# Altium PCB UCM PCB R1.PcbDoc (part 1 of 2) (continued)
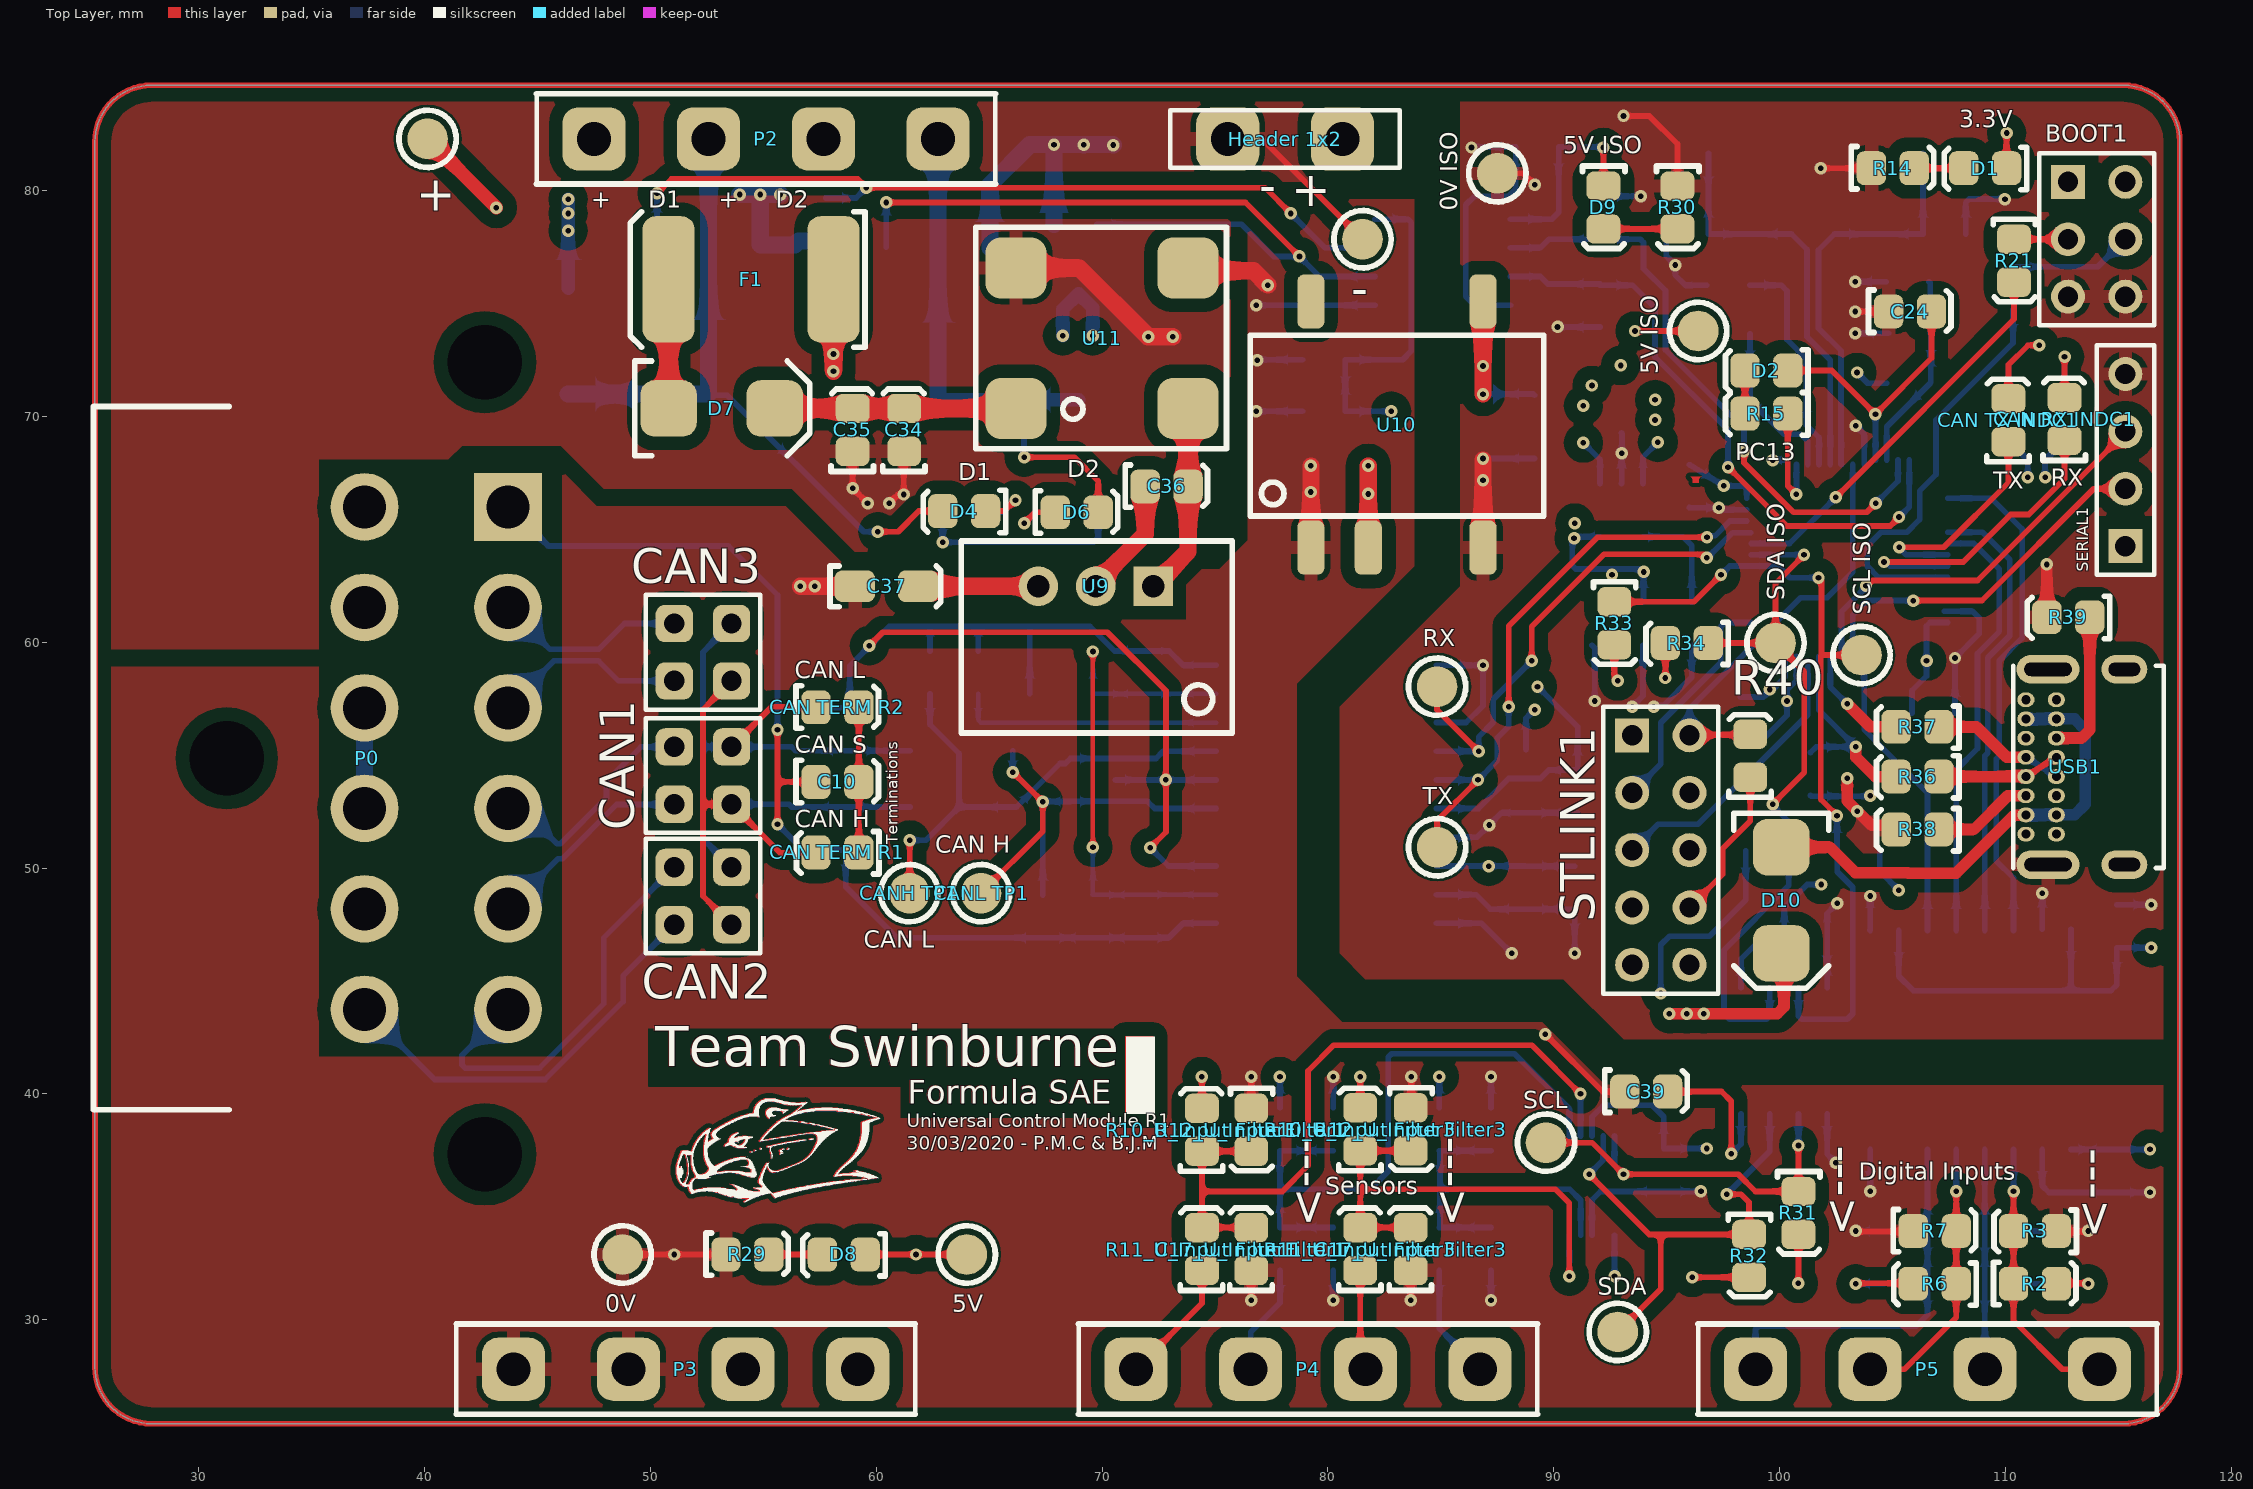
[diagram p0: Top Layer view]
## Components (designator, comment, footprint, x,y, rotation, side; value= is the part's Value field where it differs from the comment)
0V "0mm" "SMD Test Point" 48.768,32.893 r90 top
"0V ISO" "0mm" "SMD Test Point" 87.503,80.772 r90 top
5V "0mm" "SMD Test Point" 64.008,32.893 r90 top
"5V ISO" "0mm" "SMD Test Point" 96.397,73.787 r90 top
+ "0mm" "SMD Test Point" 40.132,82.296 r90 top
- "0mm" "SMD Test Point" 81.534,77.851 r90 top
BOOT1 "2.54mm" "TH 2.54mm Header 2x3" 112.776,80.391 r270 top
C1 "100nF" 0805 94.895,36.649 r90 bottom
C2 "10nF" 1206 88.773,55.051 r90 bottom
C3 "100nF" 0805 91.085,53.413 r90 bottom
C4 "100nF" 0805 71.856,58.657 r270 bottom
C5 "10nF" 1206 69.396,57.719 r0 bottom
C6 "10uF" 0805 71.755,47.879 r90 bottom
C7 "100nF" 0805 69.596,47.879 r90 bottom
C8 "10uF" 0805 88.773,49.149 r90 bottom
C9 "100nF" 0805 90.958,49.149 r90 bottom
C10 "22pF" 0805 58.293,53.848 r0 top
C11 "100pF" 0805 58.801,56.143 r270 bottom
C12 "100pF" 0805 58.674,51.767 r90 bottom
C13 "100pF" 0805 67.403,47.879 r90 bottom
C14 "100pF" 0805 62.357,58.657 r270 bottom
C15 "100nF" 0805 114.808,36.604 r90 bottom
C16 "100nF" 0805 114.909,47.42 r270 bottom
"C17_U_Input Filter1" "100nF" 0805 76.581,33.147 r90 top (schematic designator C17)
"C17_U_Input Filter2" "100nF" 0805 80.264,33.147 r90 bottom (schematic designator C17)
"C17_U_Input Filter3" "100nF" 0805 83.641,33.147 r90 top (schematic designator C17)
"C17_U_Input Filter4" "100nF" 0805 87.249,33.147 r90 bottom (schematic designator C17)
C18 "100nF" 0805 105.685,75.946 r0 bottom
C19 "22pF" 0805 97.741,73.634 r0 bottom
C20 "22pF" 0805 97.741,75.793 r0 bottom
C21 "1uF" 0805 93.03,70.231 r90 bottom
C22 "100nF" 0805 93.98,60.833 r90 bottom
C23 "1uF" 0805 91.72,60.833 r90 bottom
C24 "1uF" 0805 105.791,74.676 r0 top
C25 "100nF" 0805 96.033,66.929 r90 bottom
C26 "100nF" 0805 106.807,56.896 r180 bottom
C27 "100nF" 0805 98.298,56.642 r90 bottom
C28 "22uF" 0805 96.139,60.833 r90 bottom
C29 "22pF" 0805 95.912,78.053 r0 bottom
C30 "22pF" 0805 107.288,78.105 r180 bottom
C31 "100nF" 0805 89.281,81.915 r0 bottom
C32 "100nF" 0805 79.834,72.491 r0 bottom
C33 "10uF" 0805 79.834,70.205 r0 bottom
C34 "10uF" 0805 61.214,69.42 r90 top
C35 "10uF" 0805 58.928,69.42 r90 top
C36 "10uF" 0805 72.871,66.929 r0 top
C37 "22uF" 1206 61.655,62.484 r0 top
C38 "22uF" 1206 89.154,70.739 r90 bottom
C39 "100nF" 0805 94.107,40.132 r0 top
C40 "100nF" 0805 101.146,46.889 r180 bottom
CAN1 "2.54mm" "TH 2.54mm Header 2x2" 51.054,55.372 r270 top
CAN2 "2.54mm" "TH 2.54mm Header 2x2" 51.054,50.038 r270 top
CAN3 "2.54mm" "TH 2.54mm Header 2x2" 51.054,60.833 r270 top
"CAN RX INDC1" "Blue" "0805 LED" 112.597,69.898 r90 top
"CAN TERM R1" "56R" 0805 58.269,50.673 r180 top
"CAN TERM R2" "56R" 0805 58.293,57.15 r0 top
"CAN TX INDC1" "Blue" "0805 LED" 110.109,69.85 r90 top
"CANH TP1" "0mm" "SMD Test Point" 61.468,48.895 r90 top
"CANL TP1" "0mm" "SMD Test Point" 64.643,48.895 r90 top
D1 "Red" "0805 LED" 109.093,80.974 r180 top
D2 "Red" "0805 LED" 99.406,72.009 r180 top
D3 "SD560BTR" "SMB Diode" 46.355,71.242 r90 bottom
D4 "Orange" "0805 LED" 63.881,65.786 r180 top
D5 "SD560BTR" "SMB Diode" 68.961,70.993 r90 bottom
D6 "Orange" "0805 LED" 68.888,65.786 r0 top
D7 "SD560BTR" "SMB Diode" 51.054,70.358 r0 top
D8 "Red" "0805 LED" 58.552,32.867 r180 top
D9 "Red" "0805 LED" 92.228,79.248 r270 top
D10 "SD560BTR" "SMB Diode" 100.076,50.678 r270 top
F1 "0ZCF0100AF2A" 2920 58.104,76.073 r180 top
"Header 1x2" "2.54mm" "TH 5.08mm Header 1x2" 80.645,82.296 r180 top
P0 "DT13-12P" DT13-12P 37.342,65.999 r270 top
P2 "2.54mm" "TH 5.08mm Header 1x4" 62.738,82.296 r180 top
P3 "2.54mm" "TH 5.08mm Header 1x4" 43.942,27.813 r0 top
P4 "2.54mm" "TH 5.08mm Header 1x4" 71.501,27.813 r0 top
P5 "2.54mm" "TH 5.08mm Header 1x4" 98.933,27.813 r0 top
"PCB NTC1" "10K (NTC) (B25/85 3430K)" 0805 105.791,73.66 r0 bottom
Q1 "STD70N10F4" "STM TO-252 MOSFET" 54.878,77.597 r180 bottom
Q2 "STD70N10F4" "STM TO-252 MOSFET" 65.038,77.47 r180 bottom
R1 "0R" 0805 64.49,58.657 r270 bottom
R2 "10k" 0805 111.325,31.623 r0 top
R3 "10k" 0805 111.301,33.909 r180 top
R4 "10k" 0805 110.055,31.571 r0 bottom
R5 "10k" 0805 110.031,33.961 r180 bottom
R6 "10k" 0805 106.861,31.571 r180 top
R7 "10k" 0805 106.885,33.961 r0 top
R8 "10k" 0805 105.591,31.623 r180 bottom
R9 "10k" 0805 105.615,33.909 r0 bottom
"R10_U_Input Filter1" "10k" 0805 74.396,38.427 r90 top (schematic designator R10)
"R10_U_Input Filter2" "10k" 0805 77.903,38.451 r90 bottom (schematic designator R10)
"R10_U_Input Filter3" "10k" 0805 81.407,38.451 r90 top (schematic designator R10)
"R10_U_Input Filter4" "10k" 0805 84.963,38.451 r90 bottom (schematic designator R10)
"R11_U_Input Filter1" "1k" 0805 74.396,33.147 r90 top (schematic designator R11)
"R11_U_Input Filter2" "1k" 0805 77.903,33.147 r90 bottom (schematic designator R11)
"R11_U_Input Filter3" "1k" 0805 81.407,33.147 r90 top (schematic designator R11)
"R11_U_Input Filter4" "1k" 0805 84.963,33.147 r90 bottom (schematic designator R11)
"R12_U_Input Filter1" "10k" 0805 76.633,38.403 r270 top (schematic designator R12)
"R12_U_Input Filter2" "10k" 0805 80.212,38.427 r270 bottom (schematic designator R12)
"R12_U_Input Filter3" "10k" 0805 83.693,38.427 r270 top (schematic designator R12)
"R12_U_Input Filter4" "10k" 0805 87.197,38.427 r270 bottom (schematic designator R12)
R13 "10k" 0805 105.709,71.501 r180 bottom
R14 "510R" 0805 105.029,81.026 r0 top
R15 "510R" 0805 99.406,70.104 r180 top
R16 "680R" 0805 110.161,69.85 r90 bottom
R17 "680R" 0805 112.649,69.898 r90 bottom
R18 "10k" 0805 110.363,75.692 r90 bottom
R19 "5.1k" 0805 103.505,50.8 r0 bottom
R20 "5.1k" 0805 99.441,50.8 r180 bottom
R21 "10k" 0805 110.41,76.889 r270 top
R22 "10M" 0805 101.473,78.105 r180 bottom
R23 "1.5k" 0805 63.881,65.786 r180 bottom
R24 "10k" 0805 92.049,78.789 r270 bottom
R25 "20k" 0805 57.785,78.74 r90 bottom
R26 "1.5k" 0805 68.888,65.734 r0 bottom
R27 "10k" 0805 92.075,74.93 r90 bottom
R28 "20k" 0805 68.834,78.486 r0 bottom
R29 "680R" 0805 54.307,32.919 r0 top
R30 "510R" 0805 95.504,79.248 r270 top
R31 "3.3k" 0805 100.864,34.72 r270 top
R32 "3.3k" 0805 98.679,32.82 r270 top
R33 "3.3k" 0805 92.71,60.833 r270 top
R34 "3.3k" 0805 95.885,59.944 r180 top
R35 "1.5k" 0805 101.346,54.156 r270 bottom
R36 "20R" 0805 106.099,54.032 r180 top
R37 "20R" 0805 106.099,56.235 r180 top
R38 "5.1k" 0805 106.099,51.689 r180 top
R39 "5.1k" 0805 112.776,61.087 r180 top
R40 "10k" 0805 98.679,54.991 r90 top
RX "0mm" "SMD Test Point" 84.836,58.039 r90 top
SCL "0mm" "SMD Test Point" 89.662,37.846 r90 top
"SCL ISO" "0mm" "SMD Test Point" 103.632,59.436 r90 top
SDA "0mm" "SMD Test Point" 92.837,29.464 r90 top
"SDA ISO" "0mm" "SMD Test Point" 99.822,59.97 r90 top
SERIAL1 "2.54mm" "TH 2.54mm Header 1x4" 115.316,64.262 r90 top
STLINK1 "2.54mm" "TH 2.54mm Header 2x5" 93.472,55.88 r270 top
TX "0mm" "SMD Test Point" 84.836,50.927 r90 top
U1 "ADS1115" "TI 10-VSSOP" 91.694,35.941 r90 bottom
U2 "ADM3053" "AD SOIC-W 20" 79.933,53.274 r270 bottom
U3 "B82787C0104H002" "TDK 4-PC Pad" 61.49,52.705 r0 bottom
U4 "NUP2105L" "ON SOT-23" 69.596,53.909 r90 bottom
U5 "ADuM1400" "AD 16-SOIC" 107.188,42.419 r180 bottom
U6 "STM32F103C8T6" "STM 48-LQFP" 102.997,63.627 r0 bottom
U7 "RT9193-33GB" "RICHTEK SOT-23-5" 93.054,66.04 r0 bottom
U8 "ADUM3221ARZ" "AD 8-SOIC" 85.09,76.835 r270 bottom
U9 "R-78C5.0-1.0" "RECOM 3-SIP" 72.263,62.484 r180 top
U10 "R2S-0505/HP" "RECOM 8-SMD (5 Pin)" 83.058,69.596 r0 top
U11 "744272121" "Wurth 4-PC Pad" 73.809,76.578 r180 top
U12 "ISO1540DR" "TI 8-SOIC" 100.838,35.027 r270 bottom
USB1 "USB4085-GF-A" USB4085-GF-A 114.935,54.356 r90 top
X1 "8MHz" "Abracon HC-49/US" 101.6,81.661 r0 bottom
X2 "32.768kHz" "EPSON 2-SMD" 99.949,71.12 r0 bottom

## Footprints (in the part's own frame and the unit in brackets; to place one, negate y for a bottom-side part, rotate by r counter-clockwise, add the part's x,y. Pads: shape width x height; smd on the part's side, far side on the other; paste and mask are expansions set on the pad)
0805 [mm]
  rrect50% 1.3x1.5 smd: 1(-0.962,-0.026) 2(0.938,-0.026)
  silkscreen extent -1.85,-0.95 1.8,0.93, body extent -1,-0.65 1,0.66, height 0.73
"0805 LED" [mm]
  rrect50% 1.3x1.5 smd: A(-0.962,-0.026) K(0.938,-0.026)
  silkscreen extent -1.85,-0.95 1.8,0.93, body extent -1.1,-0.62 0.9,0.62, height 1
1206 [mm]
  rrect50% 1.8x1.4 smd: 1(-2.6,0) 2(0.2,0)
  silkscreen extent -3.7,-0.9 1.2,0.9, body extent -2.9,-0.9 0.5,0.9, height 1.85
2920 [mm]
  rrect50% 2.3x5.6 smd: 1(0,0) 2(7.3,0)
  silkscreen extent -1.4,-3 9,3, body extent -0.34,-2.81 7.64,2.81, height 1.14
"Abracon HC-49/US" [mm]
  rrect50% 5.6x2.1 smd: 1(-4.75,0) 2(4.75,0)
  silkscreen extent -5.27,-2.35 5.25,2.35, body extent -6.35,-2.35 6.35,2.35, height 4.06
"AD 8-SOIC" [mm]
  oval 0.7x1.8 smd: 1(-1.905,-3) 2(-0.635,-3) 3(0.635,-3) 4(1.905,-3) 5(1.905,3) 6(0.635,3) 7(-0.635,3) 8(-1.905,3)
  silkscreen extent -2.87,-1.88 3.05,1.85, body extent -2.5,-3.1 2.5,3.1, height 1.76
"AD 16-SOIC" [mil]
  rrect50% 28x85 smd: 1(-225,-192.02)
  oval 28x85 smd: 2(-175,-192.02) 3(-125,-192.02) 4(-75,-192.02) 5(-25,-192.02) 6(25,-192.02) 7(75,-192.02) 8(125,-192.02) 9(125,190) 10(75,189.96) 11(25,189.96) 12(-25,189.96) 13(-75,189.96) 14(-125,189.96) 15(-175,191.98) 16(-225,191.98)
  silkscreen extent -257,-138 155,138, body extent -256,-209 156,209, height 104
"AD SOIC-W 20" [mil]
  rrect50% 28x85 smd: 1(-225,-192.02)
  oval 28x85 smd: 2(-175,-192.02) 3(-125,-192.02) 4(-75,-192.02) 5(-25,-192.02) 6(25,-192.02) 7(75,-192.02) 8(125,-192.02) 9(175,-192.02) 10(225,-192.02) 11(225,192.02) 12(175,191.98) 13(125,191.98) 14(75,191.98) 15(25,191.98) 16(-25,191.98) 17(-75,191.98) 18(-125,191.98) 19(-175,191.98) 20(-225,191.98)
  silkscreen extent -257,-138 256,138, body extent -260,-210 260,210, height 105
DT13-12P [mm]
  round 3 hole 3.3 unplated: 0(-6.405,5.33) 0(11.135,-6.1) 0(28.675,5.33)
  rect 3x3 hole 1.9: 1(0,6.35)
  round 3 hole 1.9: 2(4.45,6.35) 3(8.9,6.35) 4(13.35,6.35) 5(17.8,6.35) 6(22.25,6.35) 7(22.25,0) 8(17.8,0) 9(13.35,0) 10(8.9,0) 11(4.45,0) 12(0,0)
  silkscreen extent -4.45,-12 26.7,-6, body extent -18.6,-34.7 40.6,9.5, height 35.63
"EPSON 2-SMD" [mm]
  rrect50% 1x1.8 smd: 1(-1.25,0) 2(1.25,0)
  silkscreen extent -2,-1.2 2,1.2, body extent -1.5,-1 1.5,1, height 1
"ON SOT-23" [mm] "NUP2105L"
  rrect50% 0.8x0.9 smd: 1(-0.95,-1) 2(0.95,-1) 3(0,1)
  silkscreen extent -1.75,-0.65 1.75,0.75, body extent -1.5,-1.28 1.5,1.27, height 1
"RECOM 3-SIP" [mm] "12 to 42 Vdc In, 9 Vdc Out"
  rect 1.75x1.75 hole 1: 1(0,0)
  round 1.75 hole 1: 2(2.54,0) 3(5.08,0)
  silkscreen extent -3.5,-2 8.5,6.5, body extent -3.26,-2.02 8.34,6.48, height 11.41
"RECOM 8-SMD (5 Pin)" [mm]
  rrect50% 1.2x2.4 smd: 1(-3.81,-5.4) 2(-1.27,-5.4) 4(3.81,-5.4) 5(3.81,5.5) 8(-3.81,5.5)
  silkscreen extent -6.5,-4 6.5,4, body extent -6.37,-5.55 6.38,5.55, height 9.2
"RICHTEK SOT-23-5" [mil]
  rrect50% 19x58 smd: 1(-39.37,-39.37) 2(-1.97,-39.37) 3(35.43,-39.37) 4(35.43,53.63) 5(-39.37,53.63)
  silkscreen extent -69,-31 64,47, body extent -62,-51 58,67, height 57
"SMB Diode" [mm]
  rrect50% 2.5x2.5 smd: A(-0.25,0) K(4.45,0)
  silkscreen extent -1.75,-2.1 6,2.1, body extent -0.69,-1.97 4.9,1.97, height 2.5
"SMD Test Point" [mm]
  round 1.8 smd: 1(0,0)
  silkscreen extent -1.27,-1.27 1.27,1.27
"STM 48-LQFP" [mm]
  rrect50% 0.3x1.2 smd mask+0.05: 1(-2.75,-4.45) 2(-2.25,-4.45) 3(-1.75,-4.45) 4(-1.25,-4.45) 5(-0.75,-4.45) 6(-0.25,-4.45) 7(0.25,-4.45) 8(0.75,-4.45) 9(1.25,-4.45) 10(1.75,-4.45) 11(2.25,-4.45) 12(2.75,-4.45) 25(2.75,4.45) 26(2.25,4.45) 27(1.75,4.45) 28(1.25,4.45) 29(0.75,4.45) 30(0.25,4.45) 31(-0.25,4.45) 32(-0.75,4.45) 33(-1.25,4.45) 34(-1.75,4.45) 35(-2.25,4.45) 36(-2.75,4.45)
  rrect50% 1.2x0.3 smd mask+0.05: 13(4.45,-2.75) 14(4.45,-2.25) 15(4.45,-1.75) 16(4.45,-1.25) 17(4.45,-0.75) 18(4.45,-0.25) 19(4.45,0.25) 20(4.45,0.75) 21(4.45,1.25) 22(4.45,1.75) 23(4.45,2.25) 24(4.45,2.75) 37(-4.45,2.75) 38(-4.45,2.25) 39(-4.45,1.75) 40(-4.45,1.25) 41(-4.45,0.75) 42(-4.45,0.25) 43(-4.45,-0.25) 44(-4.45,-0.75) 45(-4.45,-1.25) 46(-4.45,-1.75) 47(-4.45,-2.25) 48(-4.45,-2.75)
  silkscreen extent -3.5,-3.5 3.5,3.5, body extent -4.6,-4.6 4.6,4.6, height 1.6
"STM TO-252 MOSFET" [mm]
  rrect50% 6.7x6.7 smd: D(2.3,-6.65)
  oval 1.6x3 smd: G(4.6,0) S(0,0)
  silkscreen extent -1.5,-10.4 6,-2.5, body extent -1.08,-9.67 5.64,0.75, height 2.39
"TDK 4-PC Pad" [mm]
  rrect50% 1.35x0.9 smd: 1(0,0) 2(0,-2.5) 3(4.55,-2.5) 4(4.55,0)
  silkscreen extent -1,-3.2 5.5,0.7, body extent -0.02,-2.82 4.48,0.38, height 2.8
"TH 2.54mm Header 1x4" [mm]
  rect 1.5x1.5 hole 0.9: 1(0,0)
  round 1.5 hole 0.9: 2(2.54,0) 3(5.08,0) 4(7.62,0)
  silkscreen extent -1.27,-1.27 8.89,1.27, body extent -1.27,-1.27 8.89,1.27, height 9.5
"TH 2.54mm Header 2x2" [mil]
  rrect50% 65x65 hole 35.43: 1(0,0) 2(0,100) 3(100,0) 4(100,100)
  silkscreen extent -50,-50 150,150, body extent -50,-50 150,150, height 374
"TH 2.54mm Header 2x3" [mm]
  rect 1.5x1.5 hole 0.9: 1(0,0)
  round 1.5 hole 0.9: 2(0,2.54) 3(2.54,0) 4(2.54,2.54) 5(5.08,0) 6(5.08,2.54)
  silkscreen extent -1.27,-1.27 6.35,3.81, body extent -1.27,-1.27 6.35,3.81, height 9.5
"TH 2.54mm Header 2x5" [mm]
  rect 1.5x1.5 hole 0.9: 1(0,0)
  round 1.5 hole 0.9: 2(0,2.54) 3(2.54,0) 4(2.54,2.54) 5(5.08,0) 6(5.08,2.54) 7(7.62,0) 8(7.62,2.54) 9(10.16,0) 10(10.16,2.54)
  silkscreen extent -1.27,-1.27 11.43,3.81, body extent -1.27,-1.27 11.43,3.81, height 9.5
"TH 5.08mm Header 1x2" [mil]
  rrect50% 110x110 hole 59.06: 1(0,0) 2(200,0)
  silkscreen extent -100,-50 300,50, body extent -230,-394 430,79, height 349
"TH 5.08mm Header 1x4" [mil]
  rrect50% 110x110 hole 59.06: 1(0,0) 2(200,0) 3(400,0) 4(600,0)
  silkscreen extent -100,-79 700,79, body extent -230,-394 830,79, height 72
"TI 8-SOIC" [mm]
  oval 1.4x0.6 smd: 1(-9.677,2.54) 2(-9.677,1.27) 3(-9.677,0) 4(-9.677,-1.27) 5(-4.089,-1.27) 6(-4.089,0) 7(-4.089,1.27) 8(-4.089,2.54)
  silkscreen extent -8.74,-1.78 -5.03,3.18, body extent -9.96,-1.87 -3.76,3.14, height 1.76
"TI 10-VSSOP" [mm]
  rrect50% 1.45x0.3 smd mask+0.05: 1(-2.2,1) 2(-2.2,0.5) 3(-2.2,0) 4(-2.2,-0.5) 5(-2.2,-1) 6(2.2,-1) 7(2.2,-0.5) 8(2.2,0) 9(2.2,0.5) 10(2.2,1)
  silkscreen extent -1.25,-1.5 1.25,1.5, body extent -2.45,-1.5 2.45,1.5, height 1.12
USB4085-GF-A [mil]
  oval 25.59x30 hole 15.75: A1(-112.13,158.46) A4(-78.66,158.46) A5(-45.2,158.46) A6(-11.73,158.46) A7(21.73,158.46) A8(55.2,158.46) A9(88.66,158.46) A12(122.13,158.46) B1(122.13,105.32) B4(88.66,105.32) B5(55.2,105.32) B6(21.73,105.32) B7(-11.73,105.32) B8(-45.2,105.32) B9(-78.66,105.32) B12(-112.13,105.32)
  oval 50x110 hole 23.62 slot 82.68 at 90 deg: P1(-165.28,119.88) P2(175.28,119.88)
  oval 50x80 hole 23.62 slot 55.12 at 90 deg: P3(175.28,-13.19) P4(-165.28,-13.19)
  silkscreen extent -171,-82 181,181, body extent -173,-180 183,181, height 136
"Wurth 4-PC Pad" [mm]
  rrect50% 2.7x2.7 smd: 1(7.62,6.22) 2(0,6.22) 3(0,0) 4(7.62,0)
  silkscreen extent -1.7,-1.8 9.4,8, body extent -1.19,-1.24 8.81,7.46, height 6.2

## Part data
0V "0V ISO" 5V "5V ISO" + - "CANH TP1" "CANL TP1" RX SCL "SCL ISO" SDA "SDA ISO" TX: library part "SMD Test Point", Angle=0, Contact=NA, Flange=No, Part Number="SMD Test Point", Pitch=0mm, Positions=1, Row Spacing=0
BOOT1: library part "TH 2.54mm Header 2x3", Angle=0, Contact=NA, Flange=No, Part Number="TH 2.54mm Header 2x3", Pitch=2.54mm, Positions=6, Row Spacing=2.54mm
C1 C3 C4 C7 C9 C15 C16 "C17_U_Input Filter1" "C17_U_Input Filter2" "C17_U_Input Filter3" "C17_U_Input Filter4" C18 C22 C25 C26 C27 C31 C32 C39 C40: library part GCM21BR71E104KA37L, Digikey Part Number="DO NOT USE FOR NEW DESIGNS", Manufacturer=muRata, Rated Voltage=25V, Tolerance=10%, Material=X7R, Part Number=GCM21BR71E104KA37L
C2 C5: library part GCM3195C2A103JA16D, Digikey Part Number=490-4978-2-ND, Manufacturer=muRata, Rated Voltage=100V, Tolerance=5%, Material=Ceramic, Part Number=GCM3195C2A103JA16D
C6 C8 C33 C34 C35 C36: library part GRM21BR6YA106KE43L, Digikey Part Number=490-10514-6-ND, Manufacturer=muRata, Rated Voltage=50V, Tolerance=10%, Material=X5R, Part Number=GRM21BR6YA106KE43L
C10 C19 C20 C29 C30: library part GCM21B5C1H220JA37L, Digikey Part Number="DO NOT USE FOR NEW DESIGNS", Manufacturer=muRata, Rated Voltage=50V, Tolerance=5%, Material=C0G, Part Number=GCM21B5C1H220JA37L
C11 C12 C13 C14: library part GCM21B5C1H101JA37L, Digikey Part Number="DO NOT USE FOR NEW DESIGNS", Manufacturer=muRata, Rated Voltage=50V, Tolerance=5%, Material=C0G, Part Number=GCM21B5C1H101JA37L
C21 C23 C24: library part AC0805KKX7R8BB105, Digikey Part Number="DO NOT USE FOR NEW DESIGNS", Manufacturer=YAGEO, Rated Voltage=25V, Tolerance=10%, Material=X7R, Part Number=AC0805KKX7R8BB105
C28: library part GRM21BR61A226ME51L, Digikey Part Number=490-10511-1-ND, Manufacturer=muRata, Rated Voltage=10V, Tolerance=20%, Material=X5R, Part Number=GRM21BR61A226ME51L
C37 C38: library part CC1206MKX5R7BB226, Digikey Part Number=311-1997-2-ND, Manufacturer=YAGEO, Rated Voltage=16V, Tolerance=20%, Material=Ceramic, Part Number=CC1206MKX5R7BB226
CAN1 CAN2 CAN3: library part "TH 2.54mm Header 2x2", Angle=0, Contact=NA, Flange=No, Part Number="TH 2.54mm Header 2x2", Pitch=2.54mm, Positions=4, Row Spacing=2.54mm
"CAN RX INDC1" "CAN TX INDC1": library part SML-MN2BCTT86C, "LED BLUE CLEAR 2012 SMD", Digikey Part Number=846-1207-1-ND, Manufacturer="ROHM Semiconductor", Colour=Blue, Digikey Link=https://www.digikey.com/product-detail/en/rohm-semiconductor/SMLMN2BCTT86C/846-1207-1-ND/6057239, Part Number=SML-MN2BCTT86C
"CAN TERM R1" "CAN TERM R2": library part RC0805FR0756RL, Digikey Part Number=311-56.0CRCT-ND, Manufacturer=YAGEO, Rated Voltage=0.125W, Tolerance=0.01, Material=FR-07, Part Number=RC0805FR0756RL
D1 D2 D8 D9: library part SML-210LTT86, "Red LED Indication - Discrete 1.75V 0805 (2012 Metric)", Digikey Part Number=511-1286-1-ND, Manufacturer="ROHM Semiconductor", Colour=Red, Digikey Link=https://www.digikey.com/product-detail/en/rohm-semiconductor/SML-210LTT86/511-1286-1-ND/637099, Part Number=SML-210LTT86
D3 D5 D7 D10: "1.2V_F 600V 5A SMB", Digikey Part Number=1655-1530-2-ND, Manufacturer="SMC Diode Solutions", Digikey Link=https://www.digikey.com/product-detail/en/smc-diode-solutions/SD560BTR/1655-1530-2-ND/6022620, Part Number=SD560BTR
D4 D6: library part SML-211DTT86, "Orange LED Indication - Discrete 1.75V 0805 (2012 Metric)", Digikey Part Number=511-1291-1-ND, Manufacturer="ROHM Semiconductor", Colour=Orange, Digikey Link=https://www.digikey.com/product-detail/en/rohm-semiconductor/SML-211DTT86/511-1291-1-ND/637104, Part Number=SML-211DTT86
F1: "PTC RESET FUSE 60V 1A 292", Digikey Part Number=507-2070-1-ND, Manufacturer="Littelfuse Inc.", Digikey Link=https://www.digikey.com/product-detail/en/bel-fuse-inc/0ZCF0100AF2A/507-2070-1-ND/6210547, Part Number=0ZCF0100AF2A
"Header 1x2": library part "TH 5.08mm Header 1x2", Angle=0, Contact=NA, Flange=No, Part Number="TH 5.08mm Header 1x2", Pitch=2.54mm, Positions=2, Row Spacing=5.08mm
P0: library part DT13-12P[[/\]]DT13-12P, Digikey Part Number=1734-1451-ND, Angle=90, Contact=Nickel, Digikey Link=https://www.digikey.com.au/product-detail/en/te-connectivity-deutsch-connectors/DT13-12PA/1734-1451-ND/7220123, Flange=Yes, Part Number=DT13-12P, Pitch=4.44mm, Positions=12, Row Spacing=6.35mm
P2 P3 P4 P5: library part "TH 5.08mm Header 1x4", Angle=0, Contact=NA, Flange=No, Part Number="TH 5.08mm Header 1x4", Pitch=2.54mm, Positions=4, Row Spacing=5.08mm
"PCB NTC1": library part NTCS0805E3103FLT, Digikey Part Number=BC2733CT-ND, Manufacturer="Vishay Beyschlag", Rated Voltage=210mW, Tolerance=0.01, Part Number=NTCS0805E3103FLT
Q1 Q2: "N-Channel 100V 60A (Tc) 125W (Tc) Surface Mount DPAK", Digikey Part Number=497-8806-2-ND, Manufacturer=STMicroelectronics, Digikey Link=https://www.digikey.com/product-detail/en/stmicroelectronics/STD70N10F4/497-8806-2-ND/2035599, LatestRevisionDate=29-May-2009, LatestRevisionNote="IPC-7351 Footprint Added.", PackageDescription="4-Pin SOT-343 Package 1.3 mm Pitch, 2.1 mm Lead Span", PackageReference=SOT-343, PackageVersion=Sep-2000, Part Number=STD70N10F4, Published=24-Mar-1999, Publisher="Altium Limited"
R1: library part RC0805FR070RL, Digikey Part Number=311-0.0CRCT-ND, Manufacturer=YAGEO, Rated Voltage=0.125W, Tolerance=0.01, Material=FR-07, Part Number=RC0805FR070RL
R2 R3 R4 R5 R6 R7 R8 R9 "R10_U_Input Filter1" "R10_U_Input Filter2" "R10_U_Input Filter3" "R10_U_Input Filter4" "R12_U_Input Filter1" "R12_U_Input Filter2" "R12_U_Input Filter3" "R12_U_Input Filter4" R13 R18 R21 R24 R27 R40: library part RC0805FR0710KL, Digikey Part Number=311-10.0KCRCT-ND, Manufacturer=YAGEO, Rated Voltage=0.125W, Tolerance=0.01, Material=FR-07, Part Number=RC0805FR0710KL
"R11_U_Input Filter1" "R11_U_Input Filter2" "R11_U_Input Filter3" "R11_U_Input Filter4": library part RC0805FR071KL, Digikey Part Number=311-1.00KCRCT-ND, Manufacturer=YAGEO, Rated Voltage=0.125W, Tolerance=0.01, Material=FR-07, Part Number=RC0805FR071KL
R14 R15 R30: library part RC0805FR07510RL, Digikey Part Number=311-510CRCT-ND, Manufacturer=YAGEO, Rated Voltage=0.125W, Tolerance=0.01, Material=FR-07, Part Number=RC0805FR07510RL
R16 R17 R29: library part RC0805FR07680RL, Digikey Part Number=311-680CRCT-ND, Manufacturer=YAGEO, Rated Voltage=0.125W, Tolerance=0.01, Material=FR-07, Part Number=RC0805FR07680RL
R19 R20 R38 R39: library part RC0805FR075K1L, Digikey Part Number=311-5.10KCRCT-ND, Manufacturer=YAGEO, Rated Voltage=0.125W, Tolerance=0.01, Material=FR-07, Part Number=RC0805FR075K1L
R22: library part RC0805FR0710ML, Digikey Part Number=311-10.0MCRCT-ND, Manufacturer=YAGEO, Rated Voltage=0.125W, Tolerance=0.01, Material=FR-07, Part Number=RC0805FR0710ML
R23 R26 R35: library part RC0805FR071K5L, Digikey Part Number=311-1.50KCRCT-ND, Manufacturer=YAGEO, Rated Voltage=0.125W, Tolerance=0.01, Material=FR-07, Part Number=RC0805FR071K5L
R25 R28: library part RC0805FR0720KL, Digikey Part Number=311-20.0KCRCT-ND, Manufacturer=YAGEO, Rated Voltage=0.125W, Tolerance=0.01, Material=FR-07, Part Number=RC0805FR0720KL
R31 R32 R33 R34: library part RC0805FR073K3L, Digikey Part Number=311-3.30KCRCT-ND, Manufacturer=YAGEO, Rated Voltage=0.125W, Tolerance=0.01, Material=FR-07, Part Number=RC0805FR073K3L
R36 R37: library part RC0805FR0720RL, Digikey Part Number=311-20.0CRCT-ND, Manufacturer=YAGEO, Rated Voltage=0.125W, Tolerance=0.01, Material=FR-07, Part Number=RC0805FR0720RL
SERIAL1: library part "TH 2.54mm Header 1x4", Angle=0, Contact=NA, Flange=No, Part Number="TH 2.54mm Header 1x4", Pitch=2.54mm, Positions=4, Row Spacing=2.54mm
STLINK1: library part "TH 2.54mm Header 2x5", Angle=0, Contact=NA, Flange=No, Part Number="TH 2.54mm Header 2x5", Pitch=2.54mm, Positions=10, Row Spacing=2.54mm
U1: "16 Bit Analog to Digital Converter 2, 4 Input 1 Sigma-Delta 10-VSSOP", Digikey Part Number=296-38849-1-ND, Manufacturer="Texas Instruments", Digikey Link=https://www.digikey.com/product-detail/en/texas-instruments/ADS1115IDGSR/296-38849-1-ND/5142969, Part Number=ADS1115
U2: "Isolated CAN Transceiver", Digikey Part Number=ADM3053BRWZ-ND, Manufacturer="Analogue Devices", Digikey Link=https://www.digikey.com/product-detail/en/analog-devices-inc/ADM3053BRWZ/ADM3053BRWZ-ND/2709332, Part Number=ADM3053
U3: "100µH @ 100kHz 2 Line Common Mode Choke Surface Mount 5.8 kOhms @ 10MHz 150mA DCR 2Ohm", Digikey Part Number=495-4598-1-ND, Inductance="100µH @ 100kHz", Manufacturer="EPCOS (TDK)", Rated Current=150mA, Digikey Link=https://www.digikey.com/product-detail/en/epcos-tdk/B82787C0104H002/495-4598-2-ND/3680998, Impedence="5.8 kOhms @ 10MHz", Material=Wirewound, Part Number=B82787C0104H002
U4: "Dual Line CAN Bus Protector", Digikey Part Number=NUP2105LT1GOSCT-ND, Manufacturer="ON Semiconductor", Digikey Link=https://www.digikey.com/product-detail/en/on-semiconductor/NUP2105LT1G/NUP2105LT1GOSCT-ND/1485001, Part Number=NUP2105L
U5: "General Purpose Digital Isolator 2500Vrms 4 Channel 1Mbps 25kV/µs CMTI 16-SOIC (0.295\", 7.50mm Width)", Digikey Part Number=ADUM1400WSRWZ-ND, Manufacturer="Analog Devices", Digikey Link=https://www.digikey.com/product-detail/en/analog-devices-inc/ADUM1400WSRWZ/ADUM1400WSRWZ-ND/1873713, Part Number=ADuM1400
U6: "ARM® Cortex®-M3 STM32F1 Microcontroller IC 32-Bit 72MHz 64KB (64K x 8) FLASH", Digikey Part Number=497-6063-ND, Manufacturer=STMicroelectronics, Digikey Link=https://www.digikey.com/product-detail/en/stmicroelectronics/STM32F103C8T6/497-6063-ND/1646338, Part Number=STM32F103C8T6
U7: "IC REG LINEAR 3.3V 300MA SOT23-5", Digikey Part Number=1028-1014-1-ND, Manufacturer=Richtek, Digikey Link=https://www.digikey.com/products/en?keywords=1028-1014-1-ND, Part Number=RT9193-33GB
U8: "4A Gate Driver Magnetic Coupling 2500Vrms 2 Channel 8-SOIC", Digikey Part Number=ADUM3221ARZ-ND, Manufacturer="Analog Devices", Digikey Link=https://www.digikey.com/product-detail/en/analog-devices-inc/ADUM3221ARZ/ADUM3221ARZ-ND/2616333, Part Number=ADUM3221ARZ
U9: "CONV DC/DC 1A 5V OUT SIP VERT", Digikey Part Number=945-1395-5-ND, Manufacturer=Recom, Digikey Link=https://www.digikey.com.au/product-detail/en/recom-power/R-78C5.0-1.0/945-1395-5-ND/2652148, Isolation=Non-Isolated, Part Number=R-78C5.0-1.0
U10: "Isolated Module DC DC Converter 1 Output 3.3V 606mA 4.5V - 5.5V Input", Digikey Part Number=945-1764-5-ND, Input Voltage=4.5V-5.5V, Manufacturer=Recom, Output Power=2W, Output Voltage=5V, Digikey Link=https://www.digikey.com/product-detail/en/recom-power/R2S-0505-HP/945-1764-5-ND/2302761, Efficiency=0.85, Isolation=Isolated, Part Number=R2S-0505/HP
U11: "120µH @ 100kHz 2 Line Common Mode Choke Surface Mount 460 Ohms @ 30MHz 2.5A DCR 25mOhm", Digikey Part Number=732-1489-1-ND, Inductance="120uH @ 100kHz", Manufacturer="Wurth Electronics Inc", Rated Current=2.5A, Digikey Link=https://www.digikey.com/product-detail/en/w-rth-elektronik/744272121/732-1489-1-ND/1639501, Impedence="460 Ohms @ 30MHz", Material=Wirewound, Part Number=744272121
U12: "I2C Digital Isolator (Multichannel)", Digikey Part Number=296-34871-1-ND, Manufacturer="Texas Instruments", Digikey Link=https://www.digikey.com/product-detail/en/texas-instruments/ISO1540DR/296-34871-1-ND/3587214, Part Number=ISO1540DR
USB1: "USB - C (Type - C) USB 2.0 Receptacle Connector 16 Position Through Hole, Right Angle", Digikey Part Number=2073-USB4085-GF-ACT-ND, Angle=90, Digikey Link=https://www.digikey.ee/product-detail/en/gct/USB4085-GF-A/2073-USB4085-GF-ACT-ND/9859733, Part Number=USB4085-GF-A
X1: library part ABLS-8.000MHZ-B4-T, Digikey Part Number=535-10212-2-ND, Load Capacitance=18pF, Manufacturer="Abracon LLC", Digikey Link=https://www.digikey.com/product-detail/en/abracon-llc/ABLS-8.000MHZ-B4-T/535-10212-2-ND/2184155, ESR=80R, Part Number=ABLS-8.000MHZ-B4-T
X2: library part "FC-135 32.7680KA-A5", Digikey Part Number=SER4103TR-ND, Load Capacitance=12.5pF, Manufacturer=EPSON, Digikey Link=https://www.digikey.com/product-detail/en/epson/FC-135-32.7680KA-A5/SER4103TR-ND/5259895, ESR=70k, Part Number="FC-135 32.7680KA-A5"

## Via types
v1: diameter 0.55, hole 0.25, Top Layer to Bottom Layer, tented both sides, 178 vias
v2: diameter 0.55, hole 0.25, Top Layer to Bottom Layer, 4 vias

## Nets (pads, with @x,y where several pads share a name; then routed paths per layer and width w, separated by ;. In a path a pad name is that pad's centre, name@x,y a point inside that pad or via, vN(x,y) a via of type N, cw(c..) or ccw(c..) an arc to the next point about the centre after c; other vN are vias at no path point)
0V: 0V.1 "C17_U_Input Filter1.1" "C17_U_Input Filter2.1" "C17_U_Input Filter3.1" "C17_U_Input Filter4.1" "R12_U_Input Filter1.1" "R12_U_Input Filter2.1" "R12_U_Input Filter3.1" "R12_U_Input Filter4.1" C1.1 C15.1 C32.1 C33.1 C36.1 C37.1 C39.1 P3.1 P3.2 R3.1 R5.1 R7.1 R9.1 R29.1 U1.3 U5.2 U5.8 U8.5 U9.2 U10.1 U11.3 U12.5 | length 69.5
  Top Layer w0.254: 0V.1@48.768,32.893 v1(51.057,32.893) R29.1@53.345,32.893 ; v1(76.607,30.861) 76.607,32.185 ; 76.607,39.365 v1(76.607,40.767) ; v1(83.667,30.861) 83.667,32.185 ; 83.667,39.389 83.693,39.415 v1(83.693,40.767) ; v1(89.629,42.643) 92.166,40.106 C39.1@93.145,40.106 ; v1@103.378,33.909 105.897,33.909 R7.1@105.923,33.935 ; R3.1@112.263,33.935 112.289,33.909 v1@113.665,33.909
  Top Layer w0.756: U10.1@79.248,64.196 v1(79.248,66.659) v1(79.248,67.818)
  Top Layer w0.762: v1(56.642,62.484) v1(57.277,62.484) C37.1@59.055,62.484 ; U9.2@69.723,62.484 69.723,62.611 71.909,64.797 C36.1@71.909,66.903 ; U11.3@73.809,76.454 76.708,76.454 v1(77.343,75.819)
  Bottom Layer w0.254: v1(76.835,70.231) C33.1@78.872,70.231 ; v1(76.835,74.93) U8.5@82.09,74.93 ; v1(76.868,72.5) 76.885,72.517 C32.1@78.872,72.517 ; v1(80.238,30.861) 80.238,32.185 ; 80.238,39.389 v1(80.238,40.767) ; v1(87.223,30.861) 87.223,32.185 ; 87.223,39.389 v1(87.223,40.767) ; U1.3@91.694,33.741 91.694,35.306 92.075,35.687 C1.1@94.869,35.687 v1(96.52,35.687) ; U12.5@102.108,39.116 102.108,37.338 v1(102.489,36.957) ; v1(103.378,33.935) R9.1@104.653,33.935 ; v1@104.013,35.814 U5.8@104.013,37.542 ; R5.1@110.993,33.935 v1(113.665,33.935) ; U5.2@111.633,37.542 111.633,35.941 111.932,35.642 C15.1@114.782,35.642 v1(116.405,35.642)
  other v1: 104.013,35.687
"0V (ISO)": "0V ISO.1" "PCB NTC1.1" BOOT1.5 BOOT1.6 C2.1 C3.1 C8.1 C9.1 C16.1 C18.1 C19.1 C20.1 C21.1 C22.1 C23.1 C24.1 C25.1 C26.1 C27.1 C28.1 C29.1 C30.1 C31.1 C38.1 C40.1 R14.1 R16.1 R17.1 R24.1 R27.1 R30.1 R38.2 R39.2 SERIAL1.4 STLINK1.1 U2.1 U2.3 U2.7 U2.9 U2.10 U5.9 U5.15 U6.8 U6.23 U6.35 U6.47 U7.2 U8.4 U10.4 U12.4 USB1.A1 USB1.A12 USB1.B1 USB1.B12 USB1.P1 | length 113.5
  Top Layer w0.254: 87.503,80.772 88.646,80.772 v1(89.154,80.264) ; v1(93.091,83.312) 94.234,83.312 95.478,82.068 R30.1@95.478,80.21 ; v1(101.82,81) 104.056,81 R14.1@104.062,81.005 ; v1@103.277,74.65 C24.1@104.829,74.65
  Top Layer w0.508: v1(102.997,53.975) 102.997,52.977 v1@103.448,52.527 ; v1(103.448,52.522) v1@103.448,52.527 ; R38.2@105.161,51.715 104.976,51.9 104.074,51.9 v1@103.448,52.527 ; R39.2@111.838,61.113 v1(111.838,63.451)
  Top Layer w0.762: U10.4@86.868,64.196 v1(86.868,67.183) v1@86.868,68.072
  Bottom Layer w0.254: U2.10@84.811,47.559 86.807,47.559 v1(88.138,46.228) ; U2.9@84.811,48.829 86.553,48.829 87.195,48.187 C8.1@88.747,48.187 C9.1@90.932,48.187 v1(90.932,46.228) ; U2.7@84.811,51.369 86.608,51.369 87.69,52.451 C3.1@91.059,52.451 ; U2.3@84.811,56.449 86.121,56.449 86.868,57.196 v1(86.868,58.989) U2.1@84.811,58.989 ; v1(86.36,81.915) 86.386,81.941 C31.1@88.319,81.941 88.319,80.064 88.011,79.756 86.487,79.756 86.106,79.375 86.106,75.311 86.487,74.93 U8.4@88.09,74.93 ; v1(86.868,68.139) C38.1@89.154,68.139 ; v1(90.17,73.968) 90.173,73.965 92.045,73.965 R27.1@92.049,73.968 ; C23.1@91.694,59.871 91.821,59.744 v1(91.821,57.404) ; R24.1@92.075,79.751 92.08,79.756 v1(93.853,79.756) ; U7.2@93.004,67.04 93.012,67.048 93.012,68.373 v1(93.02,68.381) 93.02,69.253 C21.1@93.004,69.269 ; v1(93.472,57.15) 93.954,57.632 C22.1@93.954,59.871 ; v1(94.428,57.15) 94.48,57.203 94.858,57.203 96.113,58.457 C28.1@96.113,59.871 ; C29.1@94.95,78.079 94.988,78.041 94.988,77.097 v1(95.377,76.708) 95.377,76.266 95.824,75.819 C20.1@96.779,75.819 ; C25.1@96.007,65.967 96.012,65.962 v1(97.318,65.962) 97.402,65.877 U6.47@98.547,65.877 ; C27.1@98.272,55.68 98.285,55.693 99.254,55.693 100.33,56.769 100.33,57.9 100.747,58.317 U6.35@100.747,59.377 ; U12.4@102.108,44.704 C40.1@102.108,46.863 102.108,47.999 102.551,48.442 v1(102.551,48.449) ; v1(103.352,73.686) 104.829,73.686 ; v1(103.352,75.972) C18.1@104.723,75.972 ; v1(103.378,69.596) 103.747,69.227 U6.8@103.747,67.877 ; U5.9@104.013,47.245 104.012,47.246 104.013,47.248 v1(104.013,48.768) ; U6.23@107.293,61.377 108.549,61.377 108.839,61.087 108.839,60.379 v1(107.769,59.309) C26.1@107.769,56.87 ; C30.1@108.25,78.079 108.25,79.48 108.399,79.629 v1(109.982,79.629) ; R16.1@110.135,68.888 110.182,68.888 110.998,68.072 v1(110.998,67.31) ; U5.15@111.633,47.295 v1(111.633,48.895) ; v1(111.76,67.31) 111.76,68.074 R17.1@112.623,68.936 ; C16.1@114.935,48.382 114.938,48.384 116.456,48.384 v1(116.459,48.387)
  other v1: 87.149,51.91 100.33,57.404 103.352,74.65
"3.3V (ISO)": BOOT1.1 BOOT1.2 C22.2 C23.2 C24.2 C25.2 C26.2 C27.2 C40.2 D1.A D2.A R33.2 R34.2 R40.1 SERIAL1.1 STLINK1.7 STLINK1.8 U6.1 U6.9 U6.24 U6.36 U6.48 U7.5 U12.1 | length 50.1
  Top Layer w0.254: R33.2@92.684,59.895 92.684,58.446 v1(92.837,58.293) ; v1@94.947,58.421 R34.2@94.947,59.97 ; STLINK1.8@96.012,48.26 97.478,49.726 97.478,50.859 98.705,52.086 R40.1@98.705,54.029 ; D2.A@100.368,72.035 102.316,72.035 v1(104.247,70.104) 106.729,72.586 C24.2@106.729,74.65 ; D1.A@110.055,81 v1(110.055,82.556)
  Bottom Layer w0.254: U7.5@92.054,64.678 90.976,64.678 v1(90.901,64.603) 90.827,64.529 90.827,63.395 90.976,63.246 93.831,63.246 93.98,63.097 93.98,61.797 C22.2@93.954,61.771 ; v1@92.521,62.992 v1(92.583,62.992) ; C25.2@96.007,67.867 v1(97.536,66.929) 98.398,66.929 98.547,66.78 U6.48@98.547,66.377 ; C27.2@98.272,57.58 99.282,57.58 99.568,57.865 v1(99.568,57.912) 99.695,57.912 100.247,58.464 U6.36@100.247,59.177 ; U12.1@98.298,44.704 98.298,45.984 99.177,46.863 C40.2@100.208,46.863 100.208,48.252 101.232,49.276 v1(101.854,49.276) ; v1(99.695,68.072) 100.242,68.072 U6.1@100.247,68.077 ; U6.9@104.247,68.077 104.247,70.084 v1@104.267,70.104 ; C26.2@105.869,56.87 105.869,57.863 106.511,58.505 v1(106.511,59.182) 106.511,60.728 106.66,60.877 U6.24@107.447,60.877
  other v1: 94.946,58.421 93.98,63.119 90.932,65.278
5V: 5V.1 "R10_U_Input Filter1.2" "R10_U_Input Filter2.2" "R10_U_Input Filter3.2" "R10_U_Input Filter4.2" C1.2 C15.2 C32.2 C33.2 C37.2 C39.2 D8.A P3.3 P3.4 R2.2 R4.2 R6.2 R8.2 R31.2 R32.2 U1.1 U1.8 U5.1 U8.8 U9.3 U10.2 U12.8 | length 66.8
  Top Layer w0.254: D8.A@59.514,32.893 v1(61.761,32.893) 5V.1@64.008,32.893 ; 74.422,39.365 v1(74.422,40.767) ; 81.433,39.389 v1(81.433,40.767) ; C39.2@95.045,40.106 97.435,40.106 97.861,39.68 v1(97.861,37.351) ; v1(96.139,31.882) R32.2@98.653,31.882 ; v1(100.829,31.612) 100.838,31.621 R31.2@100.838,33.782 ; v1@103.251,31.623 105.897,31.623 R6.2@105.923,31.597 ; R2.2@112.263,31.597 112.289,31.623 v1@113.665,31.623
  Top Layer w0.756: U10.2@81.788,64.196 v1(81.788,66.572) v1(81.788,67.818)
  Top Layer w0.762: C37.2@61.855,62.484 U9.3@67.183,62.484
  Bottom Layer w0.254: 77.877,39.389 v1(77.877,40.767) ; U8.8@82.09,78.74 83.544,78.74 83.693,78.591 83.693,72.898 83.312,72.517 C32.2@80.772,72.517 C33.2@80.772,70.231 v1(82.804,70.231) ; 84.937,39.389 v1(84.937,40.767) ; U1.8@91.694,38.141 91.701,38.148 91.701,38.996 92.202,39.497 94.361,39.497 94.869,38.989 C1.2@94.869,37.587 v1(96.774,37.587) ; v1(92.694,31.934) U1.1@92.694,33.741 ; v1(97.861,37.351) 98.298,37.788 U12.8@98.298,39.116 ; v1(103.378,31.597) R8.2@104.653,31.597 ; R4.2@110.993,31.597 v1(113.665,31.597) ; U5.1@112.903,37.542 C15.2@114.782,37.542 116.391,37.542 v1(116.405,37.556)
"5V (ISO)": "5V ISO.1" C2.2 C3.2 C8.2 C9.2 C16.2 C21.2 C31.2 C38.2 D9.A D10.K R13.2 R19.2 R20.2 R35.2 U2.6 U2.8 U5.10 U5.16 U7.1 U7.3 U8.1 U10.5 | length 82.5
  Top Layer w0.254: D9.A@92.202,80.21 v1(92.202,81.915) ; v1(93.599,73.787) 96.397,73.787
  Top Layer w0.508: v1(95.123,43.561) 99.905,43.561 100.203,43.858 D10.K@100.203,46.228
  Top Layer w0.762: v1(86.868,70.993) v1(86.868,72.239) U10.5@86.868,75.096
  Bottom Layer w0.254: U2.8@84.811,50.099 84.817,50.093 v1(87.122,50.093) 88.741,50.093 C8.2@88.747,50.087 C9.2@90.932,50.087 ; U2.6@84.811,52.639 86.675,52.639 88.011,53.975 89.408,53.975 89.784,54.351 C3.2@91.059,54.351 91.059,56.261 v1(89.281,58.039) ; v1(86.868,70.993) 89.1,70.993 C38.2@89.154,70.939 ; U8.1@88.09,78.74 89.916,78.74 90.219,79.043 C31.2@90.219,81.941 92.176,81.941 v1(92.202,81.915) ; C2.2@88.773,55.251 88.773,56.642 v1(89.154,57.023) ; v1(91.313,68.834) 92.054,68.093 U7.1@92.054,67.04 ; U7.3@93.954,67.04 93.954,68.204 v1(94.615,68.866) ; v1(94.742,44.45) 94.742,46.609 95.123,46.99 96.901,46.99 98.503,48.592 R20.2@98.503,50.774 ; R35.2@101.372,53.218 101.4,53.19 103.99,53.19 v1(104.013,53.213) ; v1(103.434,71.95) 103.889,71.495 ; 103.889,71.475 R13.2@104.751,71.475 ; R19.2@104.443,50.826 104.443,49.862 v1(105.283,49.022) ; U5.10@105.283,47.244 105.283,45.212 105.918,44.577 112.903,44.577 ; U5.16@112.903,47.295 112.903,44.577 ; v1(116.459,46.482) C16.2@114.935,46.482 114.935,44.831 114.681,44.577 112.903,44.577
  other v1: 95.885,43.561 96.647,43.561 94.488,69.85 91.313,70.485 94.488,70.739 91.694,71.374 92.964,72.263
12V/24V: C36.2 U9.1 U11.2 | length 8.5
  Top Layer w0.762: U9.1@72.263,62.484 73.809,64.03 C36.2@73.809,66.903 U11.2@73.809,70.358
BOOT0: BOOT1.3 R21.1 | length 2.4
  Top Layer w0.254: R21.1@110.384,77.851 BOOT1.3@112.776,77.851
BOOT1: BOOT1.4 R18.2 | length 5.5
  Bottom Layer w0.254: R18.2@110.337,76.63 114.095,76.63 BOOT1.4@115.316,77.851
CAN1H: CAN1.3 P0.5 | length 9.3
  Bottom Layer w0.25: P0.5@43.692,48.199 45.912,50.419 46.101,50.419 48.501,52.819 51.041,52.819 CAN1.3@51.054,52.832
CAN1L: CAN1.1 P0.4 | length 10.2
  Bottom Layer w0.25: P0.4@43.688,52.71 44.229,52.71 45.86,51.079 46.012,51.079 48.057,53.124 48.057,53.848 49.581,55.372 CAN1.1@51.054,55.372
CAN2H: CAN2.3 P0.7 | length 18.5
  Bottom Layer w0.25: P0.7@37.342,43.749 40.451,40.64 45.339,40.64 48.791,44.092 48.791,45.235 CAN2.3@51.054,47.498
CAN2L: CAN2.1 P0.6 | length 18.1
  Bottom Layer w0.25: P0.6@43.692,43.749 41.656,41.713 41.656,41.294 41.802,41.148 45.085,41.148 47.93,43.993 47.93,46.914 CAN2.1@51.054,50.038
CAN3H: CAN3.3 P0.3 | length 8.6
  Bottom Layer w0.25: P0.3@43.698,57.16 45.72,59.182 47.701,59.182 48.59,58.293 CAN3.3@51.054,58.293
CAN3L: CAN3.1 P0.2 | length 8.6
  Bottom Layer w0.25: P0.2@43.692,61.549 45.551,59.69 47.706,59.69 48.849,60.833 CAN3.1@51.054,60.833
"CAN RX INDC": "CAN RX INDC1.A" U6.19 | length 14.1
  Top Layer w0.254: v2(104.627,63.56) 108.137,63.56 110.236,65.659 111.037,65.659 112.623,67.245 112.623,68.936
  Bottom Layer w0.254: v2(104.627,63.56) 104.707,63.56 104.89,63.377 U6.19@107.447,63.377
"CAN TX INDC": "CAN TX INDC1.A" U6.18 | length 10.1
  Top Layer w0.254: v2(105.307,64.216) 107.269,64.216 110.135,67.082 110.135,68.888
  Bottom Layer w0.254: v2(105.307,64.216) 105.307,64.176 105.606,63.877 U6.18@107.447,63.877
CANH: "CAN TERM R1.2" C12.2 CAN1.4 CAN2.4 CAN3.4 U3.1 | length 25.7
  Top Layer w0.254: CAN2.4@53.594,47.498 52.324,48.768 52.324,52.832 ; CAN3.4@53.594,58.293 52.324,57.023 52.324,52.832 ; 57.331,50.699 56.339,50.699 56.313,50.673 55.753,50.673 CAN1.4@53.594,52.832 52.324,52.832
  Bottom Layer w0.254: CAN1.4@53.594,52.832 56.134,52.832 56.261,52.705 C12.2@58.648,52.705 U3.1@61.49,52.705
CANL: "CAN TERM R2.1" C11.2 CAN1.2 CAN2.2 CAN3.2 U3.2 | length 25.5
  Top Layer w0.254: CAN1.2@53.594,55.372 55.372,57.15 57.322,57.15
  Bottom Layer w0.254: CAN2.2@53.594,50.038 52.324,51.308 52.324,55.372 ; CAN3.2@53.594,60.833 52.324,59.563 52.324,55.372 ; U3.2@61.49,55.205 C11.2@58.827,55.205 56.428,55.205 56.261,55.372 CAN1.2@53.594,55.372 52.324,55.372
CANS: C4.1 C5.1 C6.1 C7.1 C10.1 C11.1 C12.1 C13.1 C14.1 P0.1 R1.1 U2.11 U2.13 U2.16 U2.20 U4.3 | length 105.5
  Top Layer w0.254: v1(55.626,51.943) 55.626,53.822 ; v1(55.626,56.134) 55.626,53.822 ; C10.1@57.331,53.822 55.626,53.822 ; v1(59.694,59.855) 60.291,60.452 70.231,60.452 72.827,57.856 v1(72.827,53.909) 72.827,51.606 v1(72.128,50.908)
  Bottom Layer w0.254: P0.1@43.688,66.06 45.486,64.262 53.457,64.262 55.626,62.093 55.626,57.105 ; v1(55.626,51.943) 56.764,50.805 C12.1@58.648,50.805 58.648,49.175 60.906,46.917 C13.1@67.376,46.917 C7.1@69.57,46.917 C6.1@71.729,46.917 72.952,46.917 73.594,47.559 U2.11@75.056,47.559 ; v1(55.626,56.134) 55.626,57.105 ; C14.1@62.383,59.619 62.383,60.68 62.357,60.706 ; R1.1@64.516,59.619 64.516,60.706 ; C5.1@66.796,57.719 66.796,60.7 66.802,60.706 ; U4.3@70.596,53.909 v1(72.827,53.909) U2.16@75.057,53.909 ; v1(72.128,50.908) 72.937,50.099 U2.13@75.057,50.099 ; U2.20@75.057,58.989 73.599,58.989 72.969,59.619 C4.1@71.882,59.619 70.556,59.619 69.469,60.706 66.802,60.706 ; 55.626,57.105 C11.1@58.827,57.105 58.827,58.954 59.711,59.838 60.579,60.706 62.357,60.706 ; 62.357,60.706 64.516,60.706 ; 64.516,60.706 66.802,60.706
"Digital 1": P5.4 R2.1 R3.2 U5.3 | length 12.3
  Top Layer w0.254: v1(110.363,35.687) R3.2@110.363,33.935 R2.1@110.363,31.597 110.363,29.972 112.522,27.813 P5.4@114.173,27.813
  Bottom Layer w0.254: v1(110.363,35.687) U5.3@110.363,37.542
"Digital 2": P5.3 R4.1 R5.2 U5.4 | length 9.7
  Bottom Layer w0.254: P5.3@109.093,27.813 R4.1@109.093,31.597 R5.2@109.093,33.935 U5.4@109.093,37.542